# KiCad board Registers.kicad_pcb (continued)
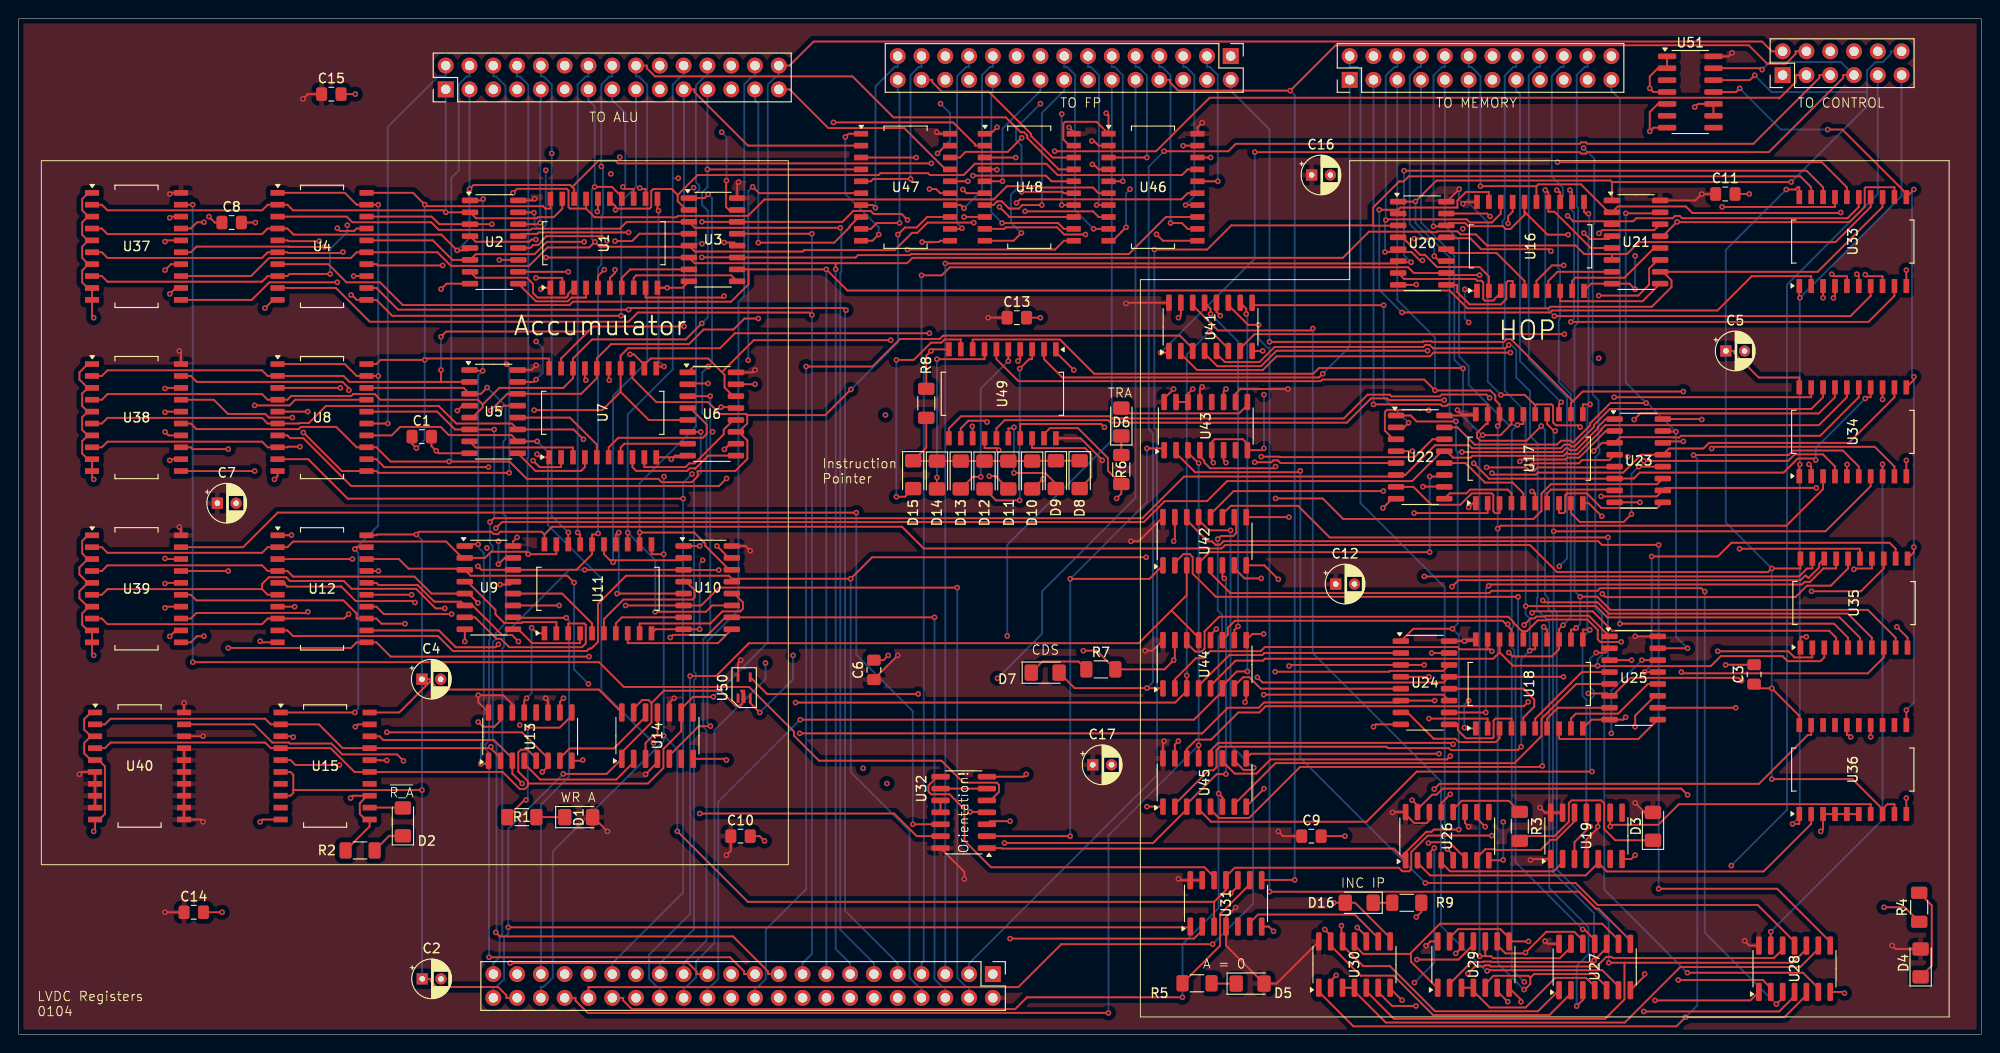
[diagram p0: board, top side]
## Routing (per net, layer and track width the routed paths; a pad name or vN(x,y) marks a point on that pad's centre or on a via; arc(x,y) is an arc through that point) (continued)
  In1.Cu w0.2: v1(153.04,47.81) 151.85,46.62 151.85,36.3 v1(151.19,35.64) ; J1.37 58.29,21.81 53.93,26.18 53.51,26.18 53.15,26.53 53.15,32.68 v1(53.5,33.03) 53.5,41.8 v1(53.36,41.95)
  In2.Cu w0.2: v1(53.5,33.03) 53.98,33.5 82.01,33.5 v1(83.38,32.14)
DB18: length 224.7
  Top w0.2: v1(156.95,47.89) 157.09,48.04 190.42,48.04 190.69,48.31 191.26,48.31 192.69,49.75 194.06,49.75 U35.17 ; v1(58.47,44.48) 52.82,44.48 U9.10 ; U12.14 38.19,45.67 38.98,44.88 v1(46.22,44.88) ; U24.10 v1(156.65,34.37)
  In2.Cu w0.2: v1(46.22,44.88) 58.07,44.88 v1(58.47,44.48) 62.31,44.48 64.54,46.7 91.74,46.7 94.57,49.54 155.3,49.54 v1(156.95,47.89)
  Bottom w0.2: v1(156.95,47.89) 156.65,47.59 v1(156.65,34.37) ; J1.39 55.75,24.52 58.76,27.53 58.76,44.18 v1(58.47,44.48)
DB19: length 214.1
  Top w0.2: v1(51.22,41.64) 50.92,41.33 46.66,41.33 44.87,43.13 U12.12 ; v1(164.94,38.18) U24.13 152.12,37.57 132.81,37.57 v1(132.26,38.12) ; U9.13 52.46,48.02 v1(51.4,48.02) ; v1(169.09,47.04) 169.44,46.69 189.71,46.69 190.94,47.91 193.49,47.91 195.33,49.75 U35.16
  In1.Cu w0.2: 51.4,41.64 52.75,40.28 52.75,26.37 53.37,25.74 53.37,7.74 53.21,7.58 J1.41 ; 51.4,41.64 v1(51.4,48.02) ; 51.4,41.64 v1(51.22,41.64) ; v1(169.09,47.04) 169.09,42.33 v1(164.94,38.18)
  In2.Cu w0.2: v1(51.22,41.64) 53.89,38.98 127.39,38.98 128.25,38.12 v1(132.26,38.12)
DB20: length 230.5
  Top w0.2: v1(183.74,51.85) 196.6,51.85 196.6,50.8 ; U25.3 v1(172.21,39.95) ; U12.3 v1(35.63,50.75) ; v1(60.43,49.61) 60.43,49.61 U10.3 71.01,49.59 v1(74.75,49.59)
  In2.Cu w0.2: 172.21,40.33 v1(172.21,39.95) ; 172.21,40.33 171.84,40.33 162.18,49.99 75.15,49.99 v1(74.75,49.59) ; 172.21,40.33 172.21,40.33 v1(183.74,51.85) ; v1(60.43,49.61) 50.89,49.61 49.52,50.98 35.86,50.98 v1(35.63,50.75)
  Bottom w0.2: v1(60.43,49.61) 58.8,49.61 51.82,42.63 51.82,41.39 51.64,41.21 51.64,10.69 51.33,10.39 51.33,8.24 50.67,7.58 J1.43
DB21: length 230.1
  Top w0.2: v1(42.31,46.11) 42.15,46.27 35.99,46.27 34.41,47.84 34.38,47.81 28.67,47.81 28.43,48.04 28.43,48.21 U12.5 ; v1(183.95,37.76) 183.64,38.07 172.1,38.07 170.18,36.14 U25.6 169.6,36.4 v1(167.58,36.4) ; v1(195.94,49.65) 196.04,49.75 197.87,49.75 U35.14 ; v1(64.79,45.8) U10.6 72.87,45.8 74.78,47.7 v1(100.2,47.7)
  In2.Cu w0.2: v1(42.31,46.11) 44.14,44.28 46.47,44.28 46.67,44.48 57.62,44.48 58.22,43.88 62.88,43.88 v1(64.79,45.8) ; v1(195.94,49.65) 195.84,49.65 v1(183.95,37.76) ; v1(167.58,36.4) 158.94,36.4 149.22,46.12 101.78,46.12 v1(100.2,47.7)
  Bottom w0.2: J1.4 101.47,5.04 101.19,5.04 100.2,6.02 v1(100.2,47.7)
DB22: length 238
  Top w0.2: v1(29.46,45.67) U12.7 ; U25.10 v1(183.33,34.87) ; U35.13 199.14,49.75 196.7,47.31 v1(191.42,47.31) ; v1(69.57,42.37) 69.85,42.65 73.57,42.65 75.44,44.53 U10.10 v1(97.78,44.53)
  In1.Cu w0.2: v1(183.33,34.87) 183.33,39.22 v1(191.42,47.31)
  In2.Cu w0.2: v1(29.46,45.67) 32.64,42.49 39.51,42.49 39.96,42.95 53.77,42.95 54.36,42.36 54.36,41.99 69.18,41.99 v1(69.57,42.37) ; v1(97.78,44.53) 147.89,44.53 157.54,34.87 v1(183.33,34.87)
  Bottom w0.2: v1(97.78,44.53) 97.78,5.9 98.64,5.04 98.93,5.04 J1.6
DB23: length 245
  Top w0.2: 76.14,48.65 v1(88.83,48.65) 91.12,50.94 v1(120.38,50.94) ; 76.14,48.65 75.83,48.97 64.86,48.97 61.85,45.96 61.85,41.91 61.14,41.2 60.91,41.2 60.65,40.93 46.35,40.93 44.76,42.53 29.29,42.53 28.69,43.13 U12.9 ; 76.14,48.65 U10.13 ; v1(174.35,51.03) 181.42,51.03 182.88,52.49 199.77,52.49 200.41,51.85 U35.12 ; U25.13 v1(173.6,38.68)
  In2.Cu w0.2: v1(120.38,50.94) 120.5,50.83 174.15,50.83 v1(174.35,51.03)
  Bottom w0.2: v1(88.83,48.65) 88.83,28 95.12,21.71 95.12,6.04 96.12,5.04 96.39,5.04 J1.8 ; v1(174.35,51.03) 174.35,39.43 v1(173.6,38.68)
DB24: length 205.6
  Top w0.2: 150.62,18.58 150.62,19.38 v1(151.15,19.9) ; U36.19 191.39,31.97 191.03,31.97 185.81,26.75 151.7,26.75 v1(151.15,26.19) ; U15.18 38.52,31.83 38.92,31.42 50.75,31.42 52.71,29.47 U13.3 52.71,27.83 v1(53.75,26.78)
  In1.Cu w0.2: J1.10 93.85,5.04 93.56,5.04 92.7,5.9 v1(92.7,26.78) ; v1(151.15,19.9) v1(151.15,26.19)
  In2.Cu w0.2: J1.10 95,3.89 95,3.6 95.89,2.71 112.8,2.71 114.68,4.59 148.1,4.59 v1(149.02,5.52) ; v1(53.75,26.78) v1(92.7,26.78)
  Bottom w0.2: v1(151.15,19.9) 151.15,7.64 v1(149.02,5.52)
DB25: length 209
  Top w0.2: U15.16 38.52,29.29 38.55,29.25 v1(39.3,29.25) ; v1(197.74,31.76) U36.14 ; v1(55.91,28.01) 56.51,28.62 U13.6 56.51,29.48 53.75,32.24 v1(39.3,32.24) ; 154.43,18.58 154.43,18.84 152.76,20.5 150.61,20.5 v1(150.52,20.41)
  In1.Cu w0.2: v1(90.16,28.41) 90.16,5.9 91.03,5.04 91.31,5.04 J1.12 ; v1(39.3,29.25) v1(39.3,32.24)
  In2.Cu w0.2: v1(197.74,31.76) 196.09,30.11 160.21,30.11 v1(150.52,20.41) 150.52,20.03 135.52,5.04 93.33,5.04 92.46,4.17 92.46,3.89 J1.12 ; v1(55.91,28.01) 56.3,28.41 v1(90.16,28.41)
HOP_15: length 111.1
  Top w0.2: U34.9 200.28,60.64 198.18,62.74 180.94,62.74 v1(180.76,62.56) ; 165.95,67.61 166.98,68.64 v1(177.74,68.64) ; 165.95,67.61 159.34,74.22 158.84,74.22 158.57,73.95 150.9,73.95 150.84,74.01 150.01,74.01 149.95,73.95 v1(133.55,73.95) ; 165.95,67.61 165.73,67.39 U17.12 ; U23.14 175.7,63.32 v1(177.74,63.32)
  In1.Cu w0.2: v1(177.74,63.32) v1(177.74,68.64)
  In2.Cu w0.2: v1(180.76,62.56) 178.5,62.56 v1(177.74,63.32)
  Bottom w0.2: J5.2 129.41,100.78 133.55,96.64 v1(133.55,73.95)
HOP_COPY: length 87.6
  Top w0.2: v1(183.75,101.02) 183.36,100.63 U51.11 ; U35.11 202.35,51.48 v1(202.35,52.02) ; v1(193.15,96.62) 194.72,96.62 201.55,89.79 U33.11 201.55,89.42 v1(202.35,90.22) ; v1(201.55,34.62) 201.55,33.02 U36.11 ; U34.11 202.35,69.89 v1(202.35,70.22)
  Bottom w0.2: v1(201.55,34.62) 202.35,35.42 v1(202.35,52.02) v1(202.35,70.22) 202.15,70.42 202.15,90.02 v1(202.35,90.22) ; v1(193.15,96.62) 188.15,96.62 v1(183.75,101.02)
HOP_DATA_SM: length 75.8
  Top w0.2: 156.84,41.11 153.86,41.11 153.62,41.35 133.05,41.35 132.61,40.91 127.19,40.91 126.44,40.17 125.7,40.17 123.44,37.91 U44.2 ; 156.84,41.11 157.09,41.11 v1(157.3,40.89) ; 156.84,41.11 U18.19 ; v1(181.41,40.91) 188.95,40.91 189.61,40.25 191.52,40.25 U35.2
  In2.Cu w0.2: v1(181.41,40.91) 178.07,37.57 160.63,37.57 v1(157.3,40.89)
HOP_DM0: length 136.1
  Top w0.2: U44.5 127.25,37.23 129.92,39.9 132.85,39.9 133.06,40.11 157.43,40.11 158.11,40.79 ; 158.11,40.79 159.55,39.36 v1(168.58,39.36) 168.62,39.32 180.67,39.32 181.73,40.38 188.33,40.38 188.87,39.85 192.38,39.85 192.79,40.25 U35.3 ; 158.11,40.79 U18.18
  In1.Cu w0.2: J4.19 164.97,96.77 v1(167.08,94.66)
  Bottom w0.2: v1(167.08,94.66) 168.24,93.5 168.24,86.59 168.11,86.46 168.11,85.16 168.06,85.11 168.06,68.32 168.69,67.69 168.69,62.63 168.78,62.54 168.78,62.04 168.42,61.69 168.38,61.69 168.35,61.66 168.35,45.46 169.05,44.76 169.05,40.51 168.58,40.04 v1(168.58,39.36)
HOP_DM1: length 132.5
  Top w0.2: U35.4 194.06,42.35 193.31,43.1 170.14,43.1 168.07,45.17 161.74,45.17 v1(161.58,45.01) ; 158.9,43.7 159.38,43.22 U18.17 ; 158.9,43.7 158.44,44.16 129.86,44.16 129.11,43.41 129.11,42.67 U44.11 ; 158.9,43.7 v1(158.99,43.79)
  In1.Cu w0.2: J4.21 167.51,100.78 169.33,98.96 169.33,64.57 161.58,56.82 v1(161.58,45.01) 160.21,45.01 v1(158.99,43.79)
HOP_DM2: length 139.9
  Top w0.2: U18.16 160.66,43.05 ; 160.66,43.05 160.5,43.05 159.59,43.96 159.59,44.04 159.04,44.59 128.18,44.59 126.62,43.03 126.62,41.18 126.31,40.87 125.61,40.87 124.71,41.77 U44.14 ; 160.66,43.05 161.04,43.05 162.19,44.21 163.11,44.21 163.2,44.29 167.49,44.29 168.6,43.18 168.6,42.18 168.88,41.89 171.09,41.89 v1(171.11,41.91) ; v1(170.96,43.85) 193.83,43.85 195.33,42.35 U35.5
  In1.Cu w0.2: v1(171.11,41.91) 170.96,42.07 v1(170.96,43.85)
  Bottom w0.2: J4.23 170.05,100.78 170.96,99.87 v1(170.96,43.85)
HOP_DS0: length 157.3
  Top w0.2: U45.2 123.44,24.57 127.06,28.19 127.56,28.19 127.89,28.52 127.89,30.35 128.25,30.71 146.03,30.71 146.18,30.56 152.71,30.56 152.91,30.36 160.07,30.36 v1(160.43,30.71) ; v1(161.33,40.96) 161.48,41.11 161.92,41.11 U18.15 ; v1(160.91,45.73) 160.91,45.73 168.41,45.73 169.62,44.52 194.42,44.52 196.6,42.35 196.6,41.3
  Bottom w0.2: J4.16 159.89,103.32 159.61,103.32 158.67,102.39 158.67,87.1 158.43,86.85 158.43,86.35 158.67,86.1 158.67,74.05 158.49,73.87 158.49,73.37 158.67,73.19 158.67,68.72 160.91,66.49 v1(160.91,45.73) 160.91,44.83 161.35,44.39 161.35,40.98 v1(161.33,40.96) 160.43,40.06 v1(160.43,30.71)
HOP_DS1: length 157.2
  Top w0.2: U18.14 163.19,43.22 163.11,43.22 v1(162.82,43.51) ; v1(162.68,28.66) 162.58,28.55 136.82,28.55 131.37,23.1 128.15,23.1 127.25,23.99 U45.5 ; U35.7 197.87,42.35 195.29,44.93 169.78,44.93 168.58,46.13 162.92,46.13 v1(162.72,46.33)
  In1.Cu w0.2: 162.82,46.33 v1(162.82,43.51) ; 162.82,46.33 v1(162.72,46.33) ; 162.82,46.33 162.82,48.3 v1(164.49,49.97)
  Bottom w0.2: v1(164.49,49.97) 165.32,50.8 165.32,67.98 161.24,72.06 161.24,102.42 162.15,103.32 162.43,103.32 J4.18 ; v1(162.82,43.51) 162.68,43.37 v1(162.68,28.66)
HOP_DS2: length 149.8
  Top w0.2: U45.11 128.52,29.16 129.84,27.84 132.15,27.84 133.67,29.36 152.51,29.36 v1(152.86,29.7) ; v1(164.89,43.69) 164.47,43.26 U18.13 164.47,41.11 163.71,40.36 159.5,40.36 v1(159.09,40.76) ; U35.8 199.14,40.25 197.43,38.55 177.66,38.55 v1(177.53,38.68)
  In1.Cu w0.2: v1(152.86,29.7) 152.56,30 152.56,34.23 v1(159.09,40.76)
  In2.Cu w0.2: v1(177.53,38.68) 176.87,39.34 170.78,39.34 168.6,41.52 167.06,41.52 v1(164.89,43.69)
  Bottom w0.2: v1(164.89,43.69) 165.72,44.52 165.72,68.38 164.44,69.66 164.44,76.31 164.57,76.45 164.57,81.65 164.36,81.87 164.36,89 164.88,89.52 164.88,90.41 163.69,91.6 163.69,102.33 164.69,103.32 164.97,103.32 J4.20
HOP_DS3: length 150.2
  Top w0.2: v1(166.3,43.4) 166.12,43.22 165.73,43.22 U18.12 ; v1(166.73,46.73) 168.54,46.73 169.95,45.33 197.43,45.33 200.41,42.35 U35.9 ; v1(161.17,35.5) 160.7,35.03 133.13,35.03 132.46,34.37 130.22,34.37 127.32,31.47 125.72,31.47 124.71,30.46 U45.14
  In1.Cu w0.2: v1(161.17,35.5) 166.3,40.63 v1(166.3,43.4)
  Bottom w0.2: J4.22 167.51,103.32 167.22,103.32 166.36,102.45 166.36,88.4 166.5,88.25 166.5,76 166.12,75.62 166.12,47.34 v1(166.73,46.73) 166.73,43.83 v1(166.3,43.4)
HOP_IM0: length 140.6
  Top w0.2: 153.16,18.58 153.16,19.16 v1(152.53,19.79) ; 169.93,22.37 175.06,22.37 177.25,24.57 197.74,24.57 U36.7 ; 169.93,22.37 v1(169.93,22.19) ; 169.93,22.37 U19.9
  In2.Cu w0.2: v1(152.53,19.79) 167.52,19.79 v1(169.93,22.19)
  Bottom w0.2: J4.2 142.11,103.32 142.9,103.32 143.26,102.96 143.26,56.73 152.25,47.74 152.25,20.07 v1(152.53,19.79)
HOP_IM1: length 90
  Top w0.2: 147.28,88.06 147.52,88.29 153.62,88.29 153.62,89.05 154.52,89.95 156.97,89.95 U16.19 ; 147.28,88.06 v1(145.26,88.06) ; 147.28,88.06 147.28,87.66 ; v1(147.69,77.09) 163.51,77.09 163.72,77.3 181.38,77.3 185.04,80.96 191.39,80.96 U33.2
  In1.Cu w0.2: v1(145.26,88.06) 145.84,88.63 145.84,102.42 144.94,103.32 144.65,103.32 J4.4
  Bottom w0.2: v1(147.69,77.09) 145.26,79.51 v1(145.26,88.06)
HOP_IM2: length 86.8
  Top w0.2: v1(149.89,82.65) 149.61,82.65 148.7,83.55 146.95,83.55 ; v1(145.97,86.96) 146.05,87.03 154.61,87.03 154.94,86.7 157.3,86.7 158.24,87.64 U16.18 ; 146.95,83.55 v1(145.89,83.55) ; 146.95,83.55 146.99,83.55 147.28,83.85 ; U33.3 v1(192.66,78.65)
  In2.Cu w0.2: v1(149.89,82.65) 154.52,78.02 192.02,78.02 v1(192.66,78.65)
  Bottom w0.2: J4.6 147.19,103.32 146.91,103.32 145.97,102.38 v1(145.97,86.96) 145.89,86.87 v1(145.89,83.55)
HOP_INSTR_SM: length 47.4
  Top w0.2: U36.2 191.39,22.47 186.31,17.39 169.57,17.39 168.66,18.3 ; 168.66,18.3 U19.5 ; 168.66,18.3 167.32,16.97 150.69,16.97 149.35,18.31 149.35,18.58
HOP_IP0: length 236.9
  Top w0.2: v1(165.62,90.16) 165.83,89.95 165.86,89.95 U16.12 ; v1(139.45,11.19) 140.08,10.56 U30.13 140.08,9.47 143.29,6.26 146.81,6.26 151.02,2.06 163.44,2.06 165.73,4.35 U27.2 ; U49.2 109.47,72.1 111.43,70.14 138.84,70.14 v1(139.24,70.55) ; U33.9 200.28,78.86 197.51,76.08 v1(165.73,76.08)
  In1.Cu w0.2: v1(139.45,11.19) 139.24,11.4 v1(139.24,70.55)
  In2.Cu w0.2: J4.1 143.26,101.93 143.26,101.64 144.13,100.78 155,100.78 v1(165.62,90.16)
  Bottom w0.2: v1(139.24,70.55) 142.11,73.42 J4.1 ; v1(165.62,90.16) 165.62,88.21 166.07,87.75 166.07,76.43 v1(165.73,76.08)
HOP_IP1: length 210.7
  Top w0.2: v1(106.69,71.9) 106.89,72.1 106.93,72.1 U49.4 ; U34.2 191.39,60.64 191.37,60.64 v1(191.15,60.86) ; v1(162.57,64.96) 161,63.39 156.05,63.39 155.71,63.73 155.71,64.24 156.64,65.17 156.84,65.17 U17.19 156.84,67.27 152.61,67.27 152.46,67.12 151.96,67.12 151.82,67.27 144.65,67.27 v1(144.65,67.27) ; U29.2 152.78,5.38 155.12,7.72 156.33,7.72 156.38,7.77 157.21,7.77 157.25,7.72 168.05,7.72 v1(168.21,7.88) 169.54,9.22 U27.10
  In2.Cu w0.2: v1(162.57,64.96) 163.06,65.45 171.84,65.45 172.24,65.05 186.96,65.05 v1(191.15,60.86) ; v1(144.65,67.27) 140.02,71.9 v1(106.69,71.9)
  Bottom w0.2: J4.3 v1(144.65,67.27) ; v1(162.57,64.96) 162.97,64.56 162.97,46.93 163.32,46.58 163.32,45.45 163.82,44.95 163.82,17.32 168.21,12.94 v1(168.21,7.88)
HOP_IP2: length 210.1
  Top w0.2: 161.4,6.04 161.2,6.24 157.46,6.24 156.59,5.38 U29.5 ; 161.4,6.04 161.4,5.37 160.81,4.77 v1(160.73,4.77) ; 161.4,6.04 161.8,6.44 168.17,6.44 169.54,5.07 U27.5 ; U49.6 104.39,72.1 106.75,69.74 139,69.74 139.18,69.93 150.06,69.93 v1(151.22,68.76) 157.12,68.76 157.66,68.22 157.66,67.72 158.11,67.27 U17.18 158.11,65.17 v1(157.91,64.96) ; v1(157.91,54) 158.23,54.32 188.75,54.32 192.66,58.23 U34.3
  Bottom w0.2: v1(151.22,68.76) 151.22,74.41 147.19,78.44 J4.5 ; v1(157.91,64.96) v1(157.91,54) 157.91,7.59 v1(160.73,4.77)
HOP_IP3: length 209.2
  Top w0.2: v1(154.22,71.1) 154.17,71.15 138.84,71.15 138.23,70.55 114.83,70.55 111.17,74.2 101.85,74.2 U49.8 ; U17.17 159.38,65.17 158.21,63.99 v1(156.31,63.99) ; 156.59,8.34 v1(155.98,8.34) ; 156.59,8.34 157.21,8.34 157.42,8.13 164.56,8.13 165.73,9.3 U27.13 ; 156.59,8.34 U29.10 ; U34.4 193.93,60.64 192.63,61.94 189.63,61.94 188.93,61.24 v1(173.51,61.24)
  In2.Cu w0.2: v1(173.51,61.24) 171.26,63.48 156.82,63.48 v1(156.31,63.99)
  Bottom w0.2: v1(155.98,8.34) 155.98,63.74 156.23,63.99 ; 156.23,63.99 v1(156.31,63.99) ; 156.23,63.99 154.22,66 v1(154.22,71.1) 153.29,72.03 153.29,83.14 149.74,86.69 149.74,100.77 149.73,100.78 J4.7
HOP_IP4: length 234.1
  Top w0.2: U29.12 154.05,9.25 v1(153.43,8.63) ; U17.16 160.66,65.17 160.12,65.17 v1(160.03,65.08) ; U34.5 195.2,60.83 v1(195.22,60.85) ; v1(174.71,3.62) 184.89,3.62 U28.1 ; v1(115.93,64.82) 115.57,65.18 106.93,65.18 U49.17
  In2.Cu w0.2: v1(115.93,64.82) 116.09,64.66 154.62,64.66 154.95,64.99 156.73,64.99 157.4,64.32 159.27,64.32 v1(160.03,65.08) 160.8,65.85 171.84,65.85 172.24,66.25 189.82,66.25 v1(195.22,60.85) ; v1(153.43,8.63) 154,8.63 157.04,5.6 v1(160.76,5.6) 161.28,5.6 163.26,3.62 v1(174.71,3.62)
  Bottom w0.2: v1(160.76,5.6) 159.42,6.93 159.42,40.24 159.7,40.51 159.7,41.01 159.42,41.29 159.42,43.37 159.59,43.54 159.59,44.04 159.42,44.21 159.42,64.47 v1(160.03,65.08) 159.09,65.08 154.82,69.35 154.82,71.35 153.8,72.38 153.8,84.81 152.27,86.34 J4.9
HOP_IP5: length 253.5
  Top w0.2: v1(178.82,61.86) 188.98,61.86 189.46,62.34 194.77,62.34 196.47,60.64 U34.6 ; 161.92,67.17 162.03,67.27 163.68,67.27 163.83,67.12 163.83,65.34 164.14,65.04 166.54,65.04 v1(166.73,64.85) ; 161.92,67.17 160.81,68.28 v1(158.26,68.28) ; 161.92,67.17 U17.15 ; U30.1 138.81,4.55 142.51,0.85 177,0.85 v1(177.97,1.82) 188.53,1.82 190.88,4.18 U28.5 ; U49.15 104.39,64.7 105.27,65.58 116.33,65.58 116.6,65.32 141.8,65.32 144.39,67.91 146.13,67.91 146.32,67.72 v1(152.21,67.72)
  In2.Cu w0.2: v1(178.82,61.86) 178.35,61.86 175.56,64.65 166.93,64.65 v1(166.73,64.85) ; v1(158.26,68.28) 157.96,68.58 153.07,68.58 v1(152.21,67.72)
  Bottom w0.2: v1(177.97,1.82) 179.23,3.08 179.23,61.46 v1(178.82,61.86) ; J4.11 154.81,88.77 156.86,86.73 156.86,69.69 v1(158.26,68.28)
HOP_IP6: length 259.2
  Top w0.2: v1(164.07,64.44) 163.93,64.44 163.19,65.17 U17.14 ; v1(101.82,64.93) 101.85,64.89 U49.13 ; U28.10 190.88,9.09 189.43,7.64 171.45,7.64 ; U30.5 143.89,4.6 146.84,1.65 169.38,1.65 171.45,3.73 171.45,7.64 ; U34.7 197.74,58.54 192.92,53.72 v1(163.89,53.72) ; 171.45,7.64 v1(169.77,7.64)
  In1.Cu w0.2: J4.13 157.35,100.78 157.7,100.44 157.7,70.81 v1(164.07,64.44)
  In2.Cu w0.2: v1(164.07,64.44) 163.53,63.9 157.25,63.9 156.92,64.24 156.56,64.59 155.66,64.59 155.28,64.21 102.54,64.21 v1(101.82,64.93)
  Bottom w0.2: v1(164.07,64.44) 163.89,64.26 v1(163.89,53.72) 163.89,45.45 164.22,45.12 164.22,17.61 169.77,12.06 v1(169.77,7.64)
HOP_IP7: length 201.1
  Top w0.2: v1(199.01,60.88) U34.8 ; U28.13 v1(187.07,10.95) ; U17.13 164.47,67.27 v1(164.69,67.5) ; U49.11 99.31,64.7 100.61,66 116.48,66 116.71,65.77 141.48,65.77 144.03,68.31 146.4,68.31 146.58,68.13 151.76,68.13 151.96,68.33 156.7,68.33 v1(157.06,67.97)
  In2.Cu w0.2: v1(157.06,67.97) 157.53,67.5 v1(164.69,67.5) 165.54,66.65 193.23,66.65 v1(199.01,60.88)
  Bottom w0.2: v1(164.69,67.5) 160.29,71.9 160.29,100.38 159.89,100.78 J4.15 ; v1(187.07,10.95) 199.01,22.89 v1(199.01,60.88)
HOP_IS0: length 82.3
  Top w0.2: v1(193.76,78.63) 193.93,78.8 U33.4 ; U20.11 151.67,82.58 v1(151.14,83.1) ; U16.17 159.51,87.85 159.03,87.36 v1(159.03,86.6)
  In1.Cu w0.2: v1(154.2,86.02) 154.06,86.02 v1(151.14,83.1)
  In2.Cu w0.2: v1(159.03,86.6) 154.78,86.6 v1(154.2,86.02) ; v1(151.14,83.1) 154.09,80.16 192.24,80.16 v1(193.76,78.63)
  Bottom w0.2: v1(151.14,83.1) 151.14,83.91 148.53,86.52 148.53,102.41 149.45,103.32 149.73,103.32 J4.8
HOP_IS1: length 69.3
  Top w0.2: v1(165.44,85.4) 163.23,85.4 160.78,87.85 ; U33.5 195.2,80.96 193.79,80.96 v1(193.58,81.18) ; 160.78,87.85 160.78,88.9 ; 160.78,87.85 160.78,87.5 159.28,86 158.78,86 158.48,86.3 154.78,86.3 154.45,86.63 152.68,86.63 U20.14 152.34,86.29 v1(151.06,86.29)
  In2.Cu w0.2: v1(165.44,85.4) 169.66,81.18 v1(193.58,81.18)
  Bottom w0.2: J4.10 152.27,103.32 151.99,103.32 151.06,102.39 v1(151.06,86.29)
HOP_IS2: length 65.3
  Top w0.2: 162.05,90.57 v1(156.07,90.57) ; 162.05,90.57 162.25,90.77 166.8,90.77 169.79,87.78 170.11,87.78 170.74,88.41 178.01,88.41 178.7,87.71 194.49,87.71 v1(194.54,87.76) ; 162.05,90.57 U16.15 ; v1(196.26,81.17) 196.47,80.96 U33.6
  In1.Cu w0.2: v1(194.54,87.76) 196.26,86.05 v1(196.26,81.17)
  Bottom w0.2: v1(156.07,90.57) 156.07,102.35 155.1,103.32 154.81,103.32 J4.12
HOP_IS3: length 77.3
  Top w0.2: 170.11,83.97 167.85,83.97 163.98,87.85 163.32,87.85 U16.14 163.32,89.95 163.2,89.95 v1(162.99,90.16) ; U33.7 197.74,78.86 195.58,76.7 v1(163.97,76.7)
  In1.Cu w0.2: v1(162.99,90.16) 158.5,94.65 158.5,102.45 157.64,103.32 157.35,103.32 J4.14
  Bottom w0.2: v1(162.99,90.16) 162.99,77.68 v1(163.97,76.7)
HOPW: length 253.8
  Top w0.2: 147.28,88.93 149.12,88.93 v1(149.14,88.94) 151.37,91.17 169.95,91.17 170.11,91.02 ; 170.11,91.02 v1(189.25,91.02) ; 170.11,91.02 170.11,89.05 ; U23.1 169.45,65.7 168.6,64.84 168.6,64.7 166.28,62.38 165.61,62.38 165.41,62.58 165.2,62.58 164.8,62.18 154.1,62.18 v1(154.1,62.18) ; v1(160.74,43.72) 161.43,44.41 161.83,44.41 162.03,44.61 162.95,44.61 163.03,44.7 167.65,44.7 U25.1 ; 147.66,19 148.08,18.58 ; 147.66,19 146.84,19.83 105,19.83 104.93,19.89 U32.1 ; 147.66,19 150.29,21.62 150.85,21.62 151.09,21.86 v1(153.76,21.86) ; v1(185.35,102.42) 184.83,101.9 U51.12 ; 147.57,41.99 148.9,43.31 v1(153.09,43.31) ; U22.1 148.62,66.08 149.25,65.45 v1(153.46,65.45)
  In2.Cu w0.2: v1(153.09,43.31) 153.21,43.19 160.21,43.19 v1(160.74,43.72)
  Bottom w0.2: v1(154.1,62.18) 154.09,62.18 153.64,62.18 ; 153.64,62.18 153.46,62.37 v1(153.46,65.45) 152.78,66.13 152.78,67.44 152.81,67.48 152.81,67.97 152.78,68 152.78,83 149.14,86.64 v1(149.14,88.94) ; 153.64,62.18 153.64,43.86 v1(153.09,43.31) 153.76,42.64 v1(153.76,21.86) ; J3.12 199.89,104.98 199.89,104.69 199.03,103.83 198.26,103.83 197.35,102.92 197.35,100.62 ; 197.35,100.62 187.15,100.62 v1(185.35,102.42) ; 197.35,100.62 197.35,99.12 v1(189.25,91.02)
I4: length 113.3
  Top w0.2: U41.3 125.35,73.25 123.98,74.61 98.7,74.61 98.35,74.26 94.1,74.26 91.15,71.32 v1(84.08,71.32)
  Bottom w0.2: v1(84.08,71.32) 84.08,15.5 79.76,11.19 79.76,5.9 78.9,5.04 78.61,5.04 J1.22
I5: length 119.2
  Top w0.2: v1(82.94,35.43) 123.48,35.43 124.71,36.66 U44.3 v1(124.71,38.32) ; v1(127.11,74.99) 127.4,74.99 129.16,73.23 U41.6
  In1.Cu w0.2: v1(82.94,35.43) 77.22,29.71 77.22,5.9 76.36,5.04 76.07,5.04 J1.24
  Bottom w0.2: v1(124.71,38.32) 124.71,72.59 v1(127.11,74.99)
I6: length 123.9
  Top w0.2: U41.10 131.06,77.49 v1(131.06,76.93) ; v1(83.45,33.6) 125.49,33.6 128.52,36.63 U44.6 128.52,37.21 130.06,38.75 v1(131.19,38.75)
  Bottom w0.2: v1(131.19,38.75) 131.19,76.8 v1(131.06,76.93) ; J1.26 73.53,5.04 73.82,5.04 74.68,5.9 74.68,24.83 v1(83.45,33.6)
I7: length 129.6
  Top w0.2: U41.13 127.25,77.49 v1(127.25,76.93) ; v1(130.19,43.56) 129.79,43.16 129.79,42.09
  In2.Cu w0.2: v1(79.73,39.66) 114.05,39.66 118.33,43.94 129.82,43.94 v1(130.19,43.56)
  Bottom w0.2: v1(127.25,76.93) 130.19,73.99 v1(130.19,43.56) ; v1(79.73,39.66) 79.73,37.93 74.28,32.48 74.28,9.75 72.32,7.79 72.32,6.1 71.26,5.04 70.99,5.04 J1.28
I8: length 101
  Top w0.2: v1(71.69,38.26) 74.46,38.26 77.97,41.77 119.59,41.77 123.08,45.26 ; 123.08,45.26 125.98,42.36 U44.13 ; 123.08,45.26 124.71,46.89 U42.3
  Bottom w0.2: J1.30 68.45,5.04 68.18,5.04 67.3,5.92 67.3,8.48 71.69,12.87 v1(71.69,38.26)
I9: length 96.3
  Top w0.2: v1(128.9,27.79) 127.92,27.79 124.71,24.58 U45.3 124.71,24.02 121.13,20.43 v1(105.25,20.43) ; v1(128.73,48.68) 128.52,48.89 U42.6
  In2.Cu w0.2: v1(105.25,20.43) 83.35,20.43 69.72,6.81 69.72,6.01 68.87,5.16 68.07,5.16 67.06,4.15 67.06,3.89 J1.32
  Bottom w0.2: v1(128.9,27.79) 128.9,48.51 v1(128.73,48.68)
I10: length 118.5
  Top w0.2: v1(124.25,3.95) 107.66,3.95 106.39,2.68 65.47,2.68 64.52,3.63 64.52,3.89 J1.34 ; v1(128.12,25.71) 128.52,25.3 U45.6 ; v1(128.02,52.89) 128.35,53.22 129.69,53.22 130,53.52 130,55.03 129.79,55.23
  Bottom w0.2: v1(124.25,3.95) 124.25,9.62 128.12,13.48 v1(128.12,25.71) 128.12,42.46 128.48,42.82 128.48,44.8 128.02,45.26 v1(128.02,52.89)
I11: length 123.7
  Top w0.2: v1(129.39,53.82) 127.09,53.82 125.98,54.92 U42.13 ; v1(131.87,28.48) 131.63,28.24 130.77,28.24 129.79,29.22 129.79,29.46 ; v1(127.48,9.62) 111.32,9.62 106.74,5.04 60.83,5.04 J1.36
  Bottom w0.2: 131.8,28.48 129.39,30.89 v1(129.39,53.82) ; 131.8,28.48 v1(131.87,28.48) ; 131.8,28.48 131.8,13.94 v1(127.48,9.62)
I12: length 124.9
  Top w0.2: U45.13 v1(125.98,30.87) ; v1(125.98,61) 125.96,61 124.84,62.12 U43.3 ; v1(116.35,2.28) 60.76,2.28 59.44,3.6 59.44,3.89 J1.38
  Bottom w0.2: v1(116.35,2.28) 116.35,21.23 v1(125.98,30.87) v1(125.98,61)
INC_IP0: length 109.8
  Top w0.2: v1(159.09,73.62) 158.73,73.25 151.03,73.25 150.67,73.61 150.18,73.61 149.98,73.41 134.09,73.41 132.49,71.8 128.77,71.8 127.89,72.68 U41.5 ; v1(166.35,3) 167,3.66 U27.3
  Bottom w0.2: v1(166.35,3) 166.35,7.29 167.61,8.55 167.61,11.44 163.42,15.62 163.42,44.05 162.12,45.36 162.12,46.58 162.18,46.64 162.18,63.09 161.37,63.9 161.37,68.69 159.89,70.16 159.89,73.09 159.37,73.62 v1(159.09,73.62)
INC_IP1: length 106.6
  Top w0.2: U27.8 172.08,10.01 168.69,13.41 168.41,13.41 166.59,15.22 v1(133.55,15.22) ; U41.11 129.16,77.87 131.26,75.77 v1(132.38,75.77)
  Bottom w0.2: v1(132.38,75.77) 132.38,74.27 133.3,73.35 133.55,73.35 v1(133.55,15.22)
INC_IP2: length 105.9
  Top w0.2: v1(156.79,6.76) 156.87,6.84 169.09,6.84 170.81,5.12 U27.6 ; v1(138.18,75.38) 137.97,75.17 128.04,75.17 125.35,77.86 U41.14
  Bottom w0.2: v1(156.79,6.76) 156.66,6.76 151.85,11.57 151.85,27.01 138.18,40.69 v1(138.18,75.38)
INC_IP3: length 81
  Top w0.2: U42.2 123.44,50.37 124.35,51.28 125.03,51.28 125.35,50.96 125.35,49.2 127.82,46.72 v1(160.1,46.72) ; U27.11 168.28,10.08 167.16,11.2 v1(166.99,11.2)
  Bottom w0.2: v1(160.1,46.72) 160.1,40.35 159.82,40.07 159.82,18.37 v1(166.99,11.2)
INC_IP4: length 103.7
  Top w0.2: U42.5 127.25,49.24 129.37,47.12 157.03,47.12 157.27,47.36 168.56,47.36 168.84,47.64 179.67,47.64 v1(180.02,47.29) ; U28.3 188.34,3.88 v1(187.67,3.22)
  Bottom w0.2: v1(180.02,47.29) 180.02,10.87 v1(187.67,3.22)
INC_IP5: length 108.6
  Top w0.2: U28.6 192.15,4.94 190.51,6.58 v1(178.17,6.58) ; v1(169.69,53.06) 139.98,53.06 136.6,56.44 129.43,56.44 128.52,55.54 U42.11
  Bottom w0.2: v1(169.69,53.06) 169.69,40.38 169.3,39.99 169.3,15.45 v1(178.17,6.58)
INC_IP6: length 109.9
  Top w0.2: U42.14 124.71,54.91 126.98,52.64 127.42,52.64 127.77,52.28 128.27,52.28 128.64,52.66 168.65,52.66 169.04,52.27 v1(175.1,52.27) ; v1(175.1,15.54) 187.76,15.54 193.42,9.88 U28.8
  Bottom w0.2: v1(175.1,52.27) v1(175.1,15.54)
INCPC: length 135.5
  Top w0.2: U30.10 143.89,10.44 v1(142.93,11.4)
  In2.Cu w0.2: v1(142.93,11.4) 149.54,18.01 v1(182.87,18.01)
  Bottom w0.2: v1(182.87,18.01) 188.8,23.95 188.8,80.03 198.5,89.73 J3.9
INCPC_ACTUAL: length 39.9
  Top w0.2: v1(141.23,11.6) 141.23,10.03 U30.12 141.35,9.49 143.56,7.28 146.41,7.28 151.23,2.46 162.21,2.46 U27.1 ; v1(140.41,14.05) D16.2 142.68,14.05 146.43,10.3 U30.8
  In1.Cu w0.2: v1(141.23,11.6) 141.23,13.22 v1(140.41,14.05)
NEXT_HOP_CYL: length 59.8
  Top w0.2: v1(168.7,78.89) 172.92,78.89 174.08,80.05 174.08,81.77 175.01,82.7 U21.11 ; U41.4 126.62,72.71 127.98,71.35 132.64,71.35 134.3,73 v1(150.42,73)
  In1.Cu w0.2: v1(168.7,78.89) v1(168.7,72.19)
  In2.Cu w0.2: v1(168.7,72.19) 151.24,72.19 v1(150.42,73)
